# Altium PCB PCB.PcbDoc
Units mm, origin at the board's own origin, x right, y up, seen from the top; angles counter-clockwise.
Board outline 98.69 x 35.35 mm, 4 copper layers (Top Layer, Mid Layer 1, Mid Layer 2, Bottom Layer), stack 0.999 mm thick; 184 components, 150 nets, 784 pads, 0 vias.
Unrouted connection lines stored in the file: 435.
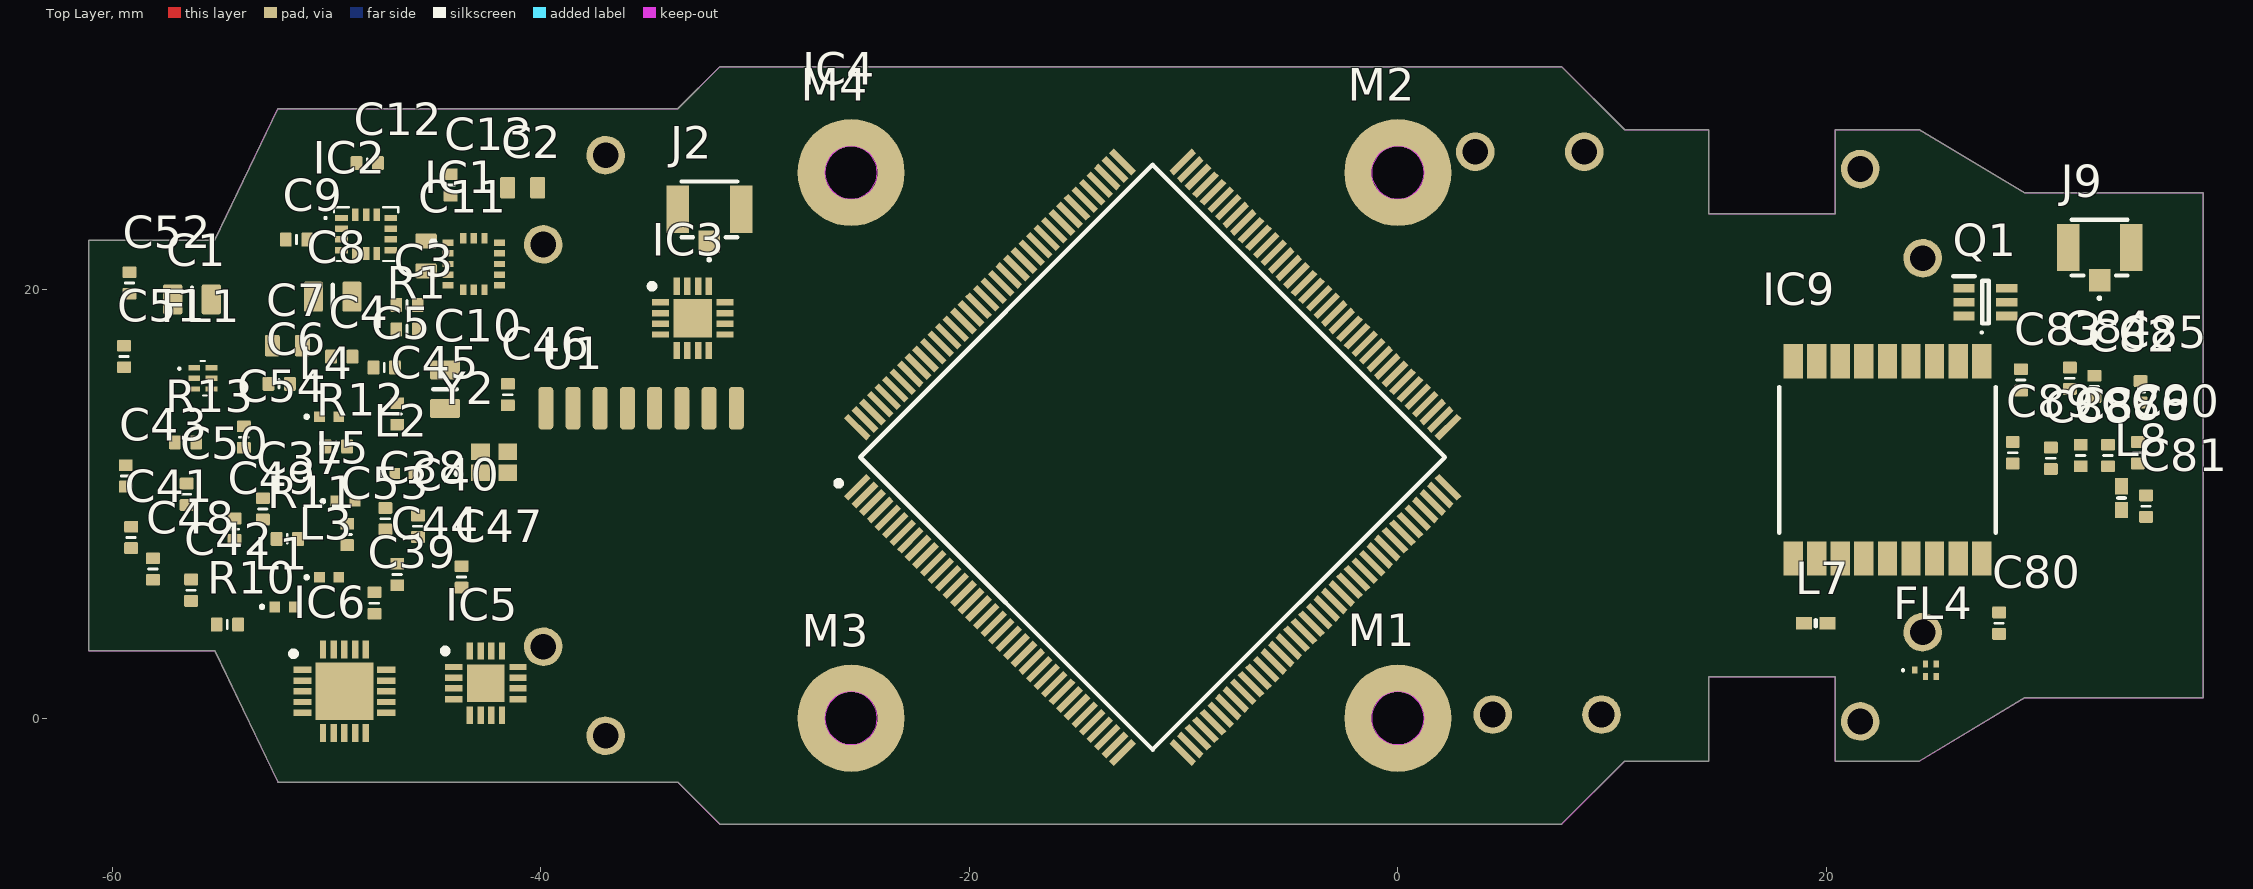
[diagram p0: Top Layer view]
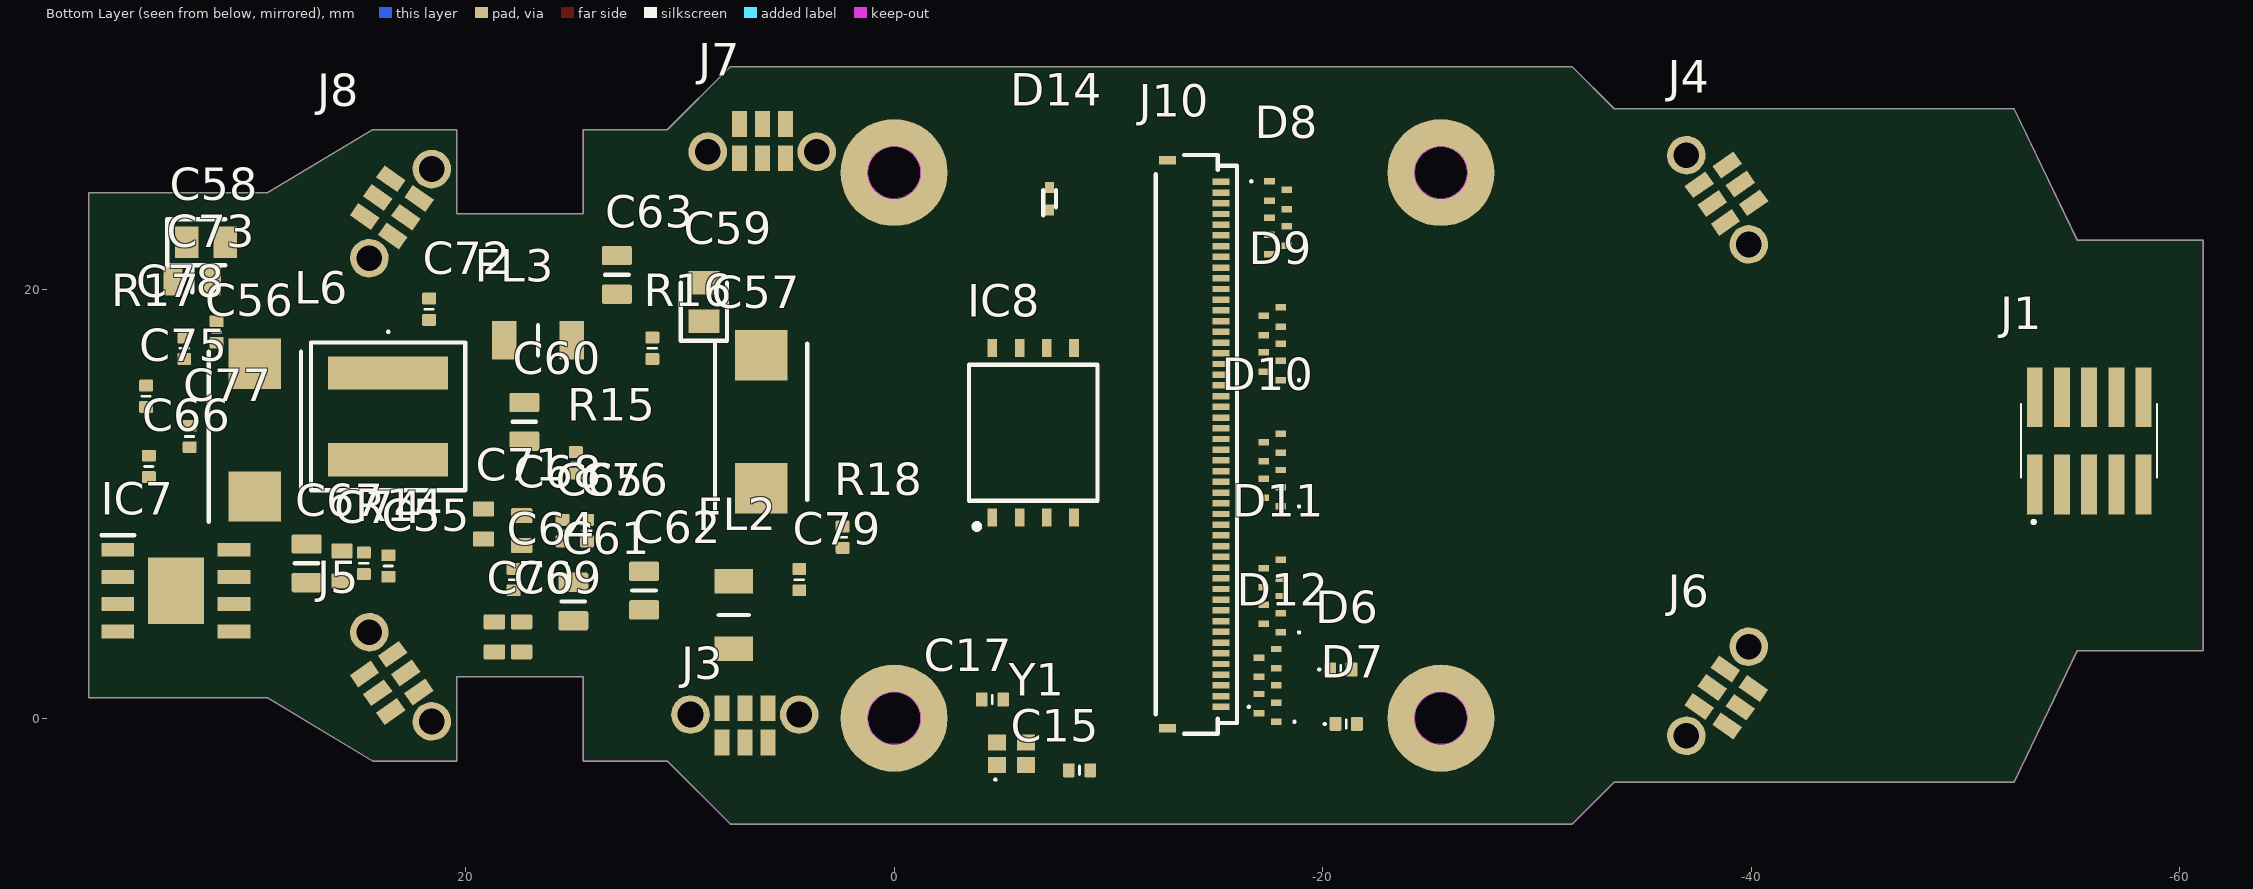
[diagram p1: Bottom Layer view, seen from below]

## Layer stack, top to bottom
Top Solder: solder mask 0.0127, Solder Resist, Dk 3.8
Top Layer: signal copper 0.035
Dielectric 1: prepreg 0.0994, 3313, Dk 4.1
Mid Layer 1: signal copper 0.0152
Core: core 0.7, FR-4, Dk 4.6
Mid Layer 2: signal copper 0.0152
Dielectric 2: prepreg 0.0994, 3313, Dk 4.1
Bottom Layer: signal copper 0.035
Bottom Solder: solder mask 0.0127, Solder Resist, Dk 3.8

## Board outline
-52.264,-2.98 -55.21,3.156 -61.102,3.156 -61.102,22.308 -55.21,22.308 -52.264,28.444 -33.606,28.444 -31.642,30.408 7.638,30.408 10.584,27.462 14.512,27.462 14.512,23.534 20.404,23.534 20.404,27.462 24.332,27.462 29.242,24.516 37.589,24.516 37.589,0.948 29.242,0.948 24.332,-1.998 20.404,-1.998 20.404,1.93 14.512,1.93 14.512,-1.998 10.584,-1.998 7.638,-4.944 -31.642,-4.944 -33.606,-2.98

## Design rules (kind name [scope] priority, off if disabled: settings)
BoardOutlineClearance [All] p1: gap=0.2 ignorepadtopadclearanceinfootprint=FALSE
Clearance [All] p1: gap=0.102 ignorepadtopadclearanceinfootprint=FALSE except(0.127: Arc-Via Track-Via SMDPad-Via THPad-Via Via-Via Via-Fill Via-Poly Via-Region Via-Text; 0.25: Arc-Hole Track-Hole SMDPad-Hole THPad-Hole Via-Hole Fill-Hole Poly-Hole Region-Hole Text-Hole)
ComponentClearance [All] p1: gap=0.102 collisioncheckmode=3 verticalgap=0.102 showdistances=TRUE
DiffPairsRouting [All] p1: maxlimit=0.102 minlimit=0.102 mostfreqgap=0.102 toplayer_minwidth=0.102 toplayer_maxwidth=1816.048 toplayer_prefwidth=0.102 midlayer1_minwidth=0.102 midlayer1_maxwidth=1816.048 midlayer1_prefwidth=0.102 midlayer2_minwidth=0.102 midlayer2_maxwidth=1816.048 midlayer2_prefwidth=0.102 bottomlayer_minwidth=0.102 bottomlayer_maxwidth=1816.048 bottomlayer_prefwidth=0.102 maxuncoupledlength=12.7
Height [All] p1: minheight=0 maxheight=1816.048 prefheight=12.7
HoleSize [All] p1: absolutevalues=TRUE maxlimit=6.3 minlimit=0.2 maxpercent=80.000 minpercent=20.000
HoleToHoleClearance [All] p1: gap=0.25 allowstackedmicrovias=FALSE
MinimumAnnularRing [All] p1: minimumring=0.076
MinimumSolderMaskSliver [All] p1: minsoldermaskwidth=0
PlaneClearance [All] p1: clearance=0.102
PlaneConnect PlaneConnectPowerPads [InPadClass('PowerPads')] p1: planeconnectstyle=Direct reliefexpansion=0.508 reliefentries=4 reliefconductorwidth=0.254 reliefairgap=0.254
PlaneConnect [All] p2: pad.planeconnectstyle=Relief pad.reliefexpansion=0.3 pad.reliefentries=4 pad.reliefconductorwidth=0.102 pad.reliefairgap=0.102 via.planeconnectstyle=Direct via.reliefexpansion=0.3 via.reliefentries=4 via.reliefconductorwidth=0.127 via.reliefairgap=0.127
PolygonConnect PolygonConnectPowerPads [All vs (InPadClass('PowerPads'))] p1: connectstyle=Direct reliefconductorwidth=0.254 reliefentries=4 polygonreliefangle="90 Angle" airgapwidth=0.254
PolygonConnect [All] p2: thpad.connectstyle=Relief thpad.reliefconductorwidth=0.102 thpad.reliefentries=4 thpad.polygonreliefangle="90 Angle" thpad.airgapwidth=0.102 smdpad.connectstyle=Relief smdpad.reliefconductorwidth=0.102 smdpad.reliefentries=4 smdpad.polygonreliefangle="90 Angle" smdpad.airgapwidth=0.102 via.connectstyle=Direct via.reliefconductorwidth=0.127 via.reliefentries=4 via.polygonreliefangle="90 Angle" via.airgapwidth=0.127
RoutingVias [All] p1: holewidth=0.2 width=0.45 viastyle="Through Hole" minholewidth=0.2 minwidth=0.45 maxholewidth=6.3 maxwidth=6.55
SilkToSilkClearance [All] p1: silktosilkclearance=0
SilkToSolderMaskClearance [IsPad] p1: minsilkscreentomaskgap=0.102 clearancetoexposedcopper=TRUE
SolderMaskExpansion [All] p1: expansion=0.075 istentingtop=FALSE
SupplyNets "Schematic Supply Nets_1" [InNet('GND')] p1: voltage=0.000
SupplyNets "Schematic Supply Nets" [InNet('+3V3')] p2: voltage=0.000
Width [All] p1: maxlimit=1816.048 minlimit=0.102 preferedwidth=0.102
20 further rules are at their usual default settings.

## Classes and differential pairs
component class U_PB_Conn: D6 D7 D8 D9 D10 D11 D12 D13 D14 J10
component class U_LED: C93 C94 C95 C96 C97 C98 LED1 LED2 LED3 LED4 LED5 LED6 LED7 R21 R22
component class U_GPS: C80 C81 C82 C83 C84 C85 C86 C87 C88 C89 C90 FL4 IC9 J9 L7 L8 Q1
component class U_Flash: C79 IC8 R18
component class U_Barometer: C91 C92 IC10 R19 R20
component class U_TOF360: J3 J4 J5 J6 J7 J8
component class U_RF: U1
component class U_PSU: C55 C56 C57 C58 C59 C60 C61 C62 C63 C64 C65 C66 C67 C68 C69 C70 C71 C72 C73 C74 C75 C76 C77 C78 FL2 FL3 IC7 L6 R14 R15 R16 R17
component class U_NRF24l01: C37 C38 C39 C40 C41 C42 C43 C44 C45 C46 C47 C48 C49 C50 C51 C52 C53 C54 FL1 IC5 IC6 J2 L1 L2 L3 L4 L5 R10 R11 R12 R13 Y2
component class U_MCU: C14 C15 C16 C17 C18 C19 C20 C21 C22 C23 C24 C25 C26 C27 C28 C29 C30 C31 C32 C33 C34 C35 C36 D1 D2 D3 D4 D5 FB1 IC4 J1 R2 R3 R4 R5 R6 R7 R8 R9 S1 S2 Y1
component class U_IMU: C1 C2 C3 C4 C5 C6 C7 C8 C9 C10 C11 C12 C13 IC1 IC2 IC3 R1
component class Main: M1 M2 M3 M4

## Components (designator, comment, footprint, x,y, rotation, side; value= is the part's Value field where it differs from the comment)
C1 "Cap0805" CAP0805 -56.277,19.545 r0 top value=4u7F
C2 "Cap0603" CAP0603 -40.845,24.752 r0 top value=2u2F
C3 "Cap0402" CAP0402 -46.244,19.291 r0 top value=100nF
C4 "Cap0402" CAP0402 -49.292,16.878 r0 top value=100nF
C5 "Cap0402" CAP0402 -47.309,16.37 r0 top value=10nF
C6 "Cap0402" CAP0402 -52.213,15.608 r0 top value=100nF
C7 "Cap0603" CAP0603 -51.832,17.386 r0 top value=2u2F
C8 "Cap0805" CAP0805 -49.711,19.672 r0 top value=4u7F
C9 "Cap0402" CAP0402 -51.402,22.339 r0 top value=10nF
C10 "Cap0805" CAP0805 -44.466,15.354 r90 top value=4u7F
C11 "Cap0603" CAP0603 -45.355,21.577 r90 top value=2u2F
C12 "Cap0402" CAP0402 -48.1,25.895 r180 top value=100nF
C13 "Cap0402" CAP0402 -44.212,24.879 r90 top value=100nF
C14 "Cap0402" CAP0402 65.018,66.535 r90 bottom value=100nF
C15 "Cap0402" CAP0402 -8.652,-2.426 r180 bottom value=11pF
C16 "Cap0402" CAP0402 6.598,55.232 r90 bottom value=100nF
C17 "Cap0402" CAP0402 -4.588,0.876 r180 bottom value=11pF
C18 "Cap0603" CAP0603 144.764,44.945 r0 top value=1uF
C19 "Cap0402" CAP0402 148.701,44.945 r0 top value=100nF
C20 "Cap0603" CAP0603 153.4,44.945 r0 top value=1uF
C21 "Cap0402" CAP0402 157.337,44.945 r0 top value=100nF
C22 "Cap0603" CAP0603 162.036,44.945 r0 top value=1uF
C23 "Cap0402" CAP0402 165.719,44.691 r90 top value=100nF
C24 "Cap0603" CAP0603 171.307,44.31 r90 top value=2u2F
C25 "Cap0603" CAP0603 176.387,44.31 r90 top value=2u2F
C26 "Cap0402" CAP0402 162.544,143.37 r90 top value=100nF
C27 "Cap0402" CAP0402 168.132,143.37 r90 top value=100nF
C28 "Cap0402" CAP0402 173.72,143.37 r90 top value=100nF
C29 "Cap0402" CAP0402 179.308,143.37 r90 top value=100nF
C30 "Cap0402" CAP0402 184.896,143.37 r90 top value=100nF
C31 "Cap0402" CAP0402 190.484,143.37 r90 top value=100nF
C32 "Cap0402" CAP0402 196.072,143.37 r90 top value=100nF
C33 "Cap0402" CAP0402 201.66,143.37 r90 top value=100nF
C34 "Cap0402" CAP0402 207.502,143.37 r90 top value=100nF
C35 "Cap0402" CAP0402 212.836,143.37 r90 top value=100nF
C36 "Cap0402" CAP0402 218.678,143.37 r90 top value=100nF
C37 "Cap0402" CAP0402 -52.975,9.766 r90 top value=33nF
C38 "Cap0402" CAP0402 -47.26,9.307 r90 top value=1uF
C39 "Cap0402" CAP0402 -47.768,5.37 r90 top value=DNI
C40 "Cap0402" CAP0402 -45.736,8.955 r90 top value=220pF
C41 "Cap0402" CAP0402 -59.12,8.434 r90 top value=DNI
C42 "Cap0402" CAP0402 -56.326,5.972 r90 top value=10nF
C43 "Cap0402" CAP0402 -59.374,11.306 r90 top value=1nF
C44 "Cap0402" CAP0402 -46.703,6.702 r90 top value=1p5F
C45 "Cap0402" CAP0402 -46.703,14.195 r90 top value=1p0F
C46 "Cap0402" CAP0402 -41.545,15.1 r90 top value=0p3F
C47 "Cap0402" CAP0402 -43.704,6.591 r90 top value=1p5F
C48 "Cap0402" CAP0402 -58.104,6.959 r90 top value=1p5F
C49 "Cap0402" CAP0402 -54.294,8.815 r90 top value=1p5F
C50 "Cap0402" CAP0402 -56.531,10.45 r90 top value=1p5F
C51 "Cap0402" CAP0402 -59.452,16.878 r90 top value=2n2F
C52 "Cap0402" CAP0402 -59.198,20.307 r90 top value=4p7F
C53 "Cap0402" CAP0402 -49.038,8.574 r90 top value=16pF
C54 "Cap0402" CAP0402 -53.864,13.117 r90 top value=16pF
C55 "Cap0402" CAP0402 23.606,7.099 r90 bottom value=100nF
C56 "TR3D336K025D0200" CAPPM7343X310N 29.829,13.449 r90 bottom value=DNI
C57 "TR3D336K025D0200" CAPPM7343X310N 6.207,13.83 r90 bottom value=33uF
C58 "T58W9476M6R3C0200" CAPPC2012X90N 32.115,22.212 r180 bottom value=47uF
C59 "T58W9476M6R3C0200" CAPPC2012X90N 8.874,19.418 r90 bottom value=47uF
C60 "Cap0805" CAP0805 17.256,13.83 r90 bottom value=DNI
C61 "Cap0805" CAP0805 14.97,5.448 r90 bottom value=DNI
C62 "Cap0805" CAP0805 11.668,5.956 r90 bottom value=10uF
C63 "Cap0805" CAP0805 12.938,20.688 r90 bottom value=4u7F
C64 "Cap0402" CAP0402 17.764,6.464 r90 bottom value=220nF
C65 "Cap0402" CAP0402 15.478,8.75 r90 bottom value=100nF
C66 "Cap0402" CAP0402 34.782,11.749 r90 bottom value=100nF
C67 "Cap0805" CAP0805 27.416,7.226 r90 bottom value=22uF
C68 "Cap0603" CAP0603 17.383,8.75 r90 bottom value=10uF
C69 "Cap0603" CAP0603 17.383,3.797 r90 bottom value=10uF
C70 "Cap0603" CAP0603 18.653,3.797 r90 bottom value=10uF
C71 "Cap0603" CAP0603 19.161,9.069 r90 bottom value=10uF
C72 "Cap0402" CAP0402 21.701,19.086 r90 bottom value=100nF
C73 "Cap0805" CAP0805 32.75,20.434 r180 bottom value=DNI
C74 "Cap0603" CAP0603 25.765,7.099 r90 bottom value=10uF
C75 "Cap0402" CAP0402 34.909,15.022 r90 bottom value=100nF
C76 "Cap0402" CAP0402 14.335,8.75 r90 bottom value=DNI
C77 "Cap0402" CAP0402 32.877,13.146 r90 bottom value=1uF
C78 "Cap0402" CAP0402 31.617,18.021 r90 bottom value=DNI
C79 "Cap0402" CAP0402 4.429,6.464 r90 bottom value=100nF
C80 "Cap0402" CAP0402 28.051,4.432 r90 top value=0R
C81 "Cap0402" CAP0402 34.909,9.893 r90 top value=10nF
C82 "Cap0402" CAP0402 32.496,15.481 r90 top value=56pF
C83 "Cap0402" CAP0402 29.067,15.784 r90 top value=100nF
C84 "Cap0402" CAP0402 31.353,15.862 r90 top value=10nF
C85 "Cap0402" CAP0402 34.655,15.227 r90 top value=100nF
C86 "Cap0402" CAP0402 33.131,12.257 r90 top value=56pF
C87 "Cap0402" CAP0402 31.861,12.257 r90 top value=56pF
C88 "Cap0402" CAP0402 30.464,12.13 r90 top value=56pF
C89 "Cap0402" CAP0402 28.686,12.384 r90 top value=100nF
C90 "Cap0402" CAP0402 34.528,12.384 r90 top value=56pF
C91 "Cap0402" CAP0402 150.479,98.158 r90 top value=100nF
C92 "Cap0402" CAP0402 145.145,98.158 r90 top value=100nF
C93 "Cap0402" CAP0402 164.322,151.752 r90 top value=100nF
C94 "Cap0402" CAP0402 170.164,151.752 r90 top value=100nF
C95 "Cap0402" CAP0402 176.006,151.752 r90 top value=100nF
C96 "Cap0402" CAP0402 181.848,151.752 r90 top value=100nF
C97 "Cap0402" CAP0402 187.69,151.752 r90 top value=100nF
C98 "Cap0402" CAP0402 193.532,151.752 r90 top value=100nF
D1 "D1213A-01LP4-7B" D1213A01LP47B 37.83,53.327 r90 bottom
D2 "D1213A-01LP4-7B" D1213A01LP47B 43.672,53.327 r90 bottom
D3 "D1213A-01LP4-7B" D1213A01LP47B 27.797,54.724 r180 bottom
D4 "D1213A-01LP4-7B" D1213A01LP47B 23.352,54.724 r180 bottom
D5 "D1213A-01LP4-7B" D1213A01LP47B 2.905,54.724 r180 bottom
D6 "D1213A-01LP4-7B" D1213A01LP47B -20.844,2.273 r180 bottom
D7 "D1213A-01LP4-7B" D1213A01LP47B -21.098,-0.267 r180 bottom
D8 "DT1240A-08LP3810-7" DT1240A08LP38107 -17.923,23.355 r270 bottom
D9 "DT1240A-08LP3810-7" DT1240A08LP38107 -17.65,17.475 r90 bottom
D10 "DT1240A-08LP3810-7" DT1240A08LP38107 -17.65,11.582 r90 bottom
D11 "DT1240A-08LP3810-7" DT1240A08LP38107 -17.65,5.702 r90 bottom
D12 "DT1240A-08LP3810-7" DT1240A08LP38107 -17.434,1.53 r90 bottom
D13 "DF2S24FS,L3M" SODFL1006X45N -7.382,64.122 r90 bottom
D14 "DF2S24FS,L3M" SODFL1006X45N -7.255,24.244 r90 bottom
FB1 "0R/Ferrite" NFZ15SG152SN10B 190.738,44.31 r90 top
FL1 "2450LP14A100T" 2450LP14A100T -55.769,15.862 r0 top value=DNI
FL2 "0R/Ferrite" BLM31KN102BH1L 7.477,4.813 r270 bottom
FL3 "0R/Ferrite" BLM31KN102BH1L 16.621,17.64 r0 bottom
FL4 "B39162B8313P810" B39162B8313P810 24.622,2.239 r0 top
IC1 "ICM-20602" IAM20680HP -43.126,21.196 r0 top
IC2 "ICM-42688-P" IIM42352 -48.149,22.593 r0 top
IC3 "MLX90393ELW-ABA-013-SP" QFN50P300X300X100-17N-D -32.909,18.656 r0 top
IC4 "STM32H723ZGT6" QFP50P2200X2200X160-144N -11.446,12.179 r45 top
IC5 "RFX2401C" QFN50P300X300X60-17N-D -42.561,1.638 r0 top
IC6 "nRF24L01P" QFN50P400X400X95-21N-D -49.165,1.257 r0 top
IC7 "LMR33640ADDAR" SOIC127P600X170-9N 33.512,5.956 r180 bottom
IC8 "MT29F2G01ABAGDWB-IT_G_TR" SON127P800X600X65-8N -6.493,13.322 r90 bottom
IC9 "TESEO-LIV3R" TESEOLIV3R 22.844,12.052 r0 top
IC10 "BMP390" BMP390 157.845,97.015 r0 top
J1 "FTSH-105-01-LM-DV-K" FTSH-105-XX-YYY-DV-K -55.769,12.941 r180 bottom
J2 "CONUFL001-SMD-T" CONUFL001-SMD -32.131,23.749 r0 top
J3 "FC_TOF360" TOF_MOUNT 9.5,0.169 r180 bottom locked
J4 "FC_TOF360" TOF_MOUNT -39.886,22.11 r55 bottom locked
J5 "FC_TOF360" TOF_MOUNT 24.489,4.011 r235 bottom locked
J6 "FC_TOF360" TOF_MOUNT -36.973,-0.824 r125 bottom locked
J7 "FC_TOF360" TOF_MOUNT 3.612,26.432 r0 bottom locked
J8 "FC_TOF360" TOF_MOUNT 21.575,25.627 r305 bottom locked
J9 "CONUFL001-SMD-T" CONUFL001-SMD 32.75,21.958 r0 top
J10 "FH34SRJ-50S-0.5SH_50_" FH34SRJ50S05SH50 -14.106,12.778 r270 bottom
L1 "MLG1005S2N4BT000" MLG1005 -51.959,5.194 r0 top
L2 "MLG1005S2N4BT000" MLG1005 -46.371,11.417 r0 top
L3 "MLG1005S3N9BT000" MLG1005 -49.878,6.575 r0 top
L4 "MLG1005S8N2HT000" MLG1005 -49.878,14.068 r0 top
L5 "MLG1005S2N7BTD25" MLG1005 -49.116,10.131 r0 top
L6 "EXLA1V0606-100-R" EXLA1V0606100R 23.606,14.084 r180 bottom
L7 "LQG15HS27NJ02" INDC1005X55N 19.5,4.432 r0 top value=0R/???
L8 "LQG15HS27NJ02" INDC1005X55N 33.766,10.274 r90 top value=27nH
LED1 "587-1024-147F" 5871024147F 201.152,150.228 r0 top
LED2 "587-1024-147F" 5871024147F 208.01,150.228 r0 top
LED3 "587-1024-147F" 5871024147F 215.376,150.228 r0 top
LED4 "587-1024-147F" 5871024147F 142.351,51.549 r0 top
LED5 "587-1024-147F" 5871024147F 149.717,51.549 r0 top
LED6 "587-1024-147F" 5871024147F 157.083,51.549 r0 top
LED7 "150141RV73100" 150141RV73100 159.115,150.228 r0 top
M1 "Mount_M2" MOUNT_M2#1 0,0 r0 top locked
M2 "Mount_M2" MOUNT_M2#2 82.28,-0.648 r0 top locked
M3 "Mount_M2" MOUNT_M2#3 69.326,-0.648 r0 top locked
M4 "Mount_M2" MOUNT_M2#4 56.372,-0.648 r0 top locked
Q1 "DCX123JU-7-F" SOT65P210X110-6N 27.416,19.418 r0 top
R1 "Res0402" RES0402 -46.244,18.148 r0 top value=10k
R2 "Res0402" RES0402 85.709,66.789 r0 top value=DNI
R3 "Res0402" RES0402 239.887,44.818 r0 top value=0R
R4 "Res0402" RES0402 81.391,66.789 r0 top value=10k
R5 "Res0402" RES0402 235.569,44.818 r0 top value=DNI
R6 "Res0402" RES0402 77.073,66.789 r180 bottom value=50k
R7 "Res0402" RES0402 18.653,55.486 r180 bottom value=50k
R8 "Res0402" RES0402 186.928,44.818 r0 top value=0R
R9 "Res0402" RES0402 182.61,44.818 r0 top value=47R
R10 "Res0402" RES0402 -54.628,4.375 r0 top value=22k
R11 "Res0402" RES0402 -51.832,8.369 r0 top value=10k
R12 "Res0402" RES0402 -49.546,12.687 r0 top value=10k
R13 "Res0402" RES0402 -56.58,12.879 r0 top value=1M
R14 "Res0402" RES0402 24.749,7.226 r90 bottom value=0R
R15 "Res0402" RES0402 14.843,11.925 r270 bottom value=DNI
R16 "Res0402" RES0402 11.287,17.259 r90 bottom value=100k/1%
R17 "Res0402" RES0402 33.131,17.259 r90 bottom value=43k5/1%
R18 "Res0402" RES0402 2.402,8.445 r90 bottom value=DNI
R19 "Res0402" RES0402 163.306,97.777 r90 top value=4k7
R20 "Res0402" RES0402 168.894,97.777 r90 top value=4k7
R21 "Res0402" RES0402 145.272,151.371 r90 top value=1k
R22 "Res0402" RES0402 151.114,151.371 r90 top value=1k
S1 "B3U-3000P" B3U-1000P 72.413,66.027 r180 bottom
S2 "B3U-3000P" B3U-1000P 13.993,54.724 r180 bottom
U1 "nrf24l01_mini" NR24L01_MINI 243.006,-47.23 r0 top
Y1 "ECS-320-10-37B-CKY-TR" ECS3201037BCKYTR -5.477,-1.664 r180 bottom
Y2 "830108288709" 830108288709 -42.182,11.946 r0 top

## Footprints (in the part's own frame and the unit in brackets; to place one, negate y for a bottom-side part, rotate by r counter-clockwise, add the part's x,y. Pads: shape width x height; smd on the part's side, far side on the other; paste and mask are expansions set on the pad)
2450LP14A100T [mm]
  rect 0.55x0.25 smd: 1(-0.4,0.5) 2(-0.4,0) 3(-0.4,-0.5) 4(0.4,-0.5) 5(0.4,0) 6(0.4,0.5)
  silkscreen extent -1.15,-0.8 0.2,0.8, body extent -0.65,-0.8 0.65,0.8, height 0.8
150141RV73100 [mm]
  rect 1.5x0.9 smd: 1(1.55,0.7) 2(1.55,-0.7) 3(-1.55,0.7) 4(-1.55,-0.7)
  silkscreen extent -0.5,-1.4 2.8,1.4, body extent -1.75,-1.4 1.75,1.4, height 1.75
5871024147F [mm]
  rect 0.9x0.9 smd: 1(0.85,-0.85) 2(-0.85,-0.85) 3(-0.85,0.85) 4(0.85,0.85)
  silkscreen extent 0.7,-1.9 0.8,-1.8, body extent -1,-1 1,1, height 1
830108288709 [mm]
  rect 0.875x0.775 smd: 1(-0.637,-0.487) 2(0.637,-0.487) 3(0.637,0.487) 4(-0.637,0.487)
  silkscreen extent -1.8,-0.6 -1.6,-0.4, body extent -1,-0.8 1,0.8, height 0.6
B3U-1000P [mm]
  rect 0.8x1.7 smd: 1(1.7,0) 2(-1.7,0)
  silkscreen extent -1.5,-1.25 2.49,1.25, body extent -2,-1.25 2,1.25, height 1.6
B39162B8313P810 [mm]
  rect 0.25x0.325 smd: 1(-0.5,0) 2(0,-0.288) 3(0.5,-0.288) 4(0.5,0.288) 5(0,0.288)
  silkscreen extent -1.1,-0.05 -1,0.05, body extent -0.7,-0.55 0.7,0.55, height 0.45
BLM31KN102BH1L [mm]
  rect 1.15x1.8 smd: 1(-1.575,0) 2(1.575,0)
  silkscreen extent 0,-0.7 0,0.7, body extent -1.6,-0.8 1.6,0.8, height 1.6
BMP390 [mm]
  rect 0.25x0.275 smd: 1(0.25,0.763) 2(-0.25,0.763) 6(-0.25,-0.763) 7(0.25,-0.763)
  rect 0.275x0.25 smd: 3(-0.762,0.5) 4(-0.762,0) 5(-0.762,-0.5) 8(0.762,-0.5) 9(0.762,0) 10(0.762,0.5)
  silkscreen extent 0.2,1.3 0.3,1.4, body extent -1,-1.08 1,0.92, height 0.73
CAP0402 [mm]
  rrect20% 0.55x0.65 smd: 1(-0.498,-0.005) 2(0.503,-0.005)
  silkscreen extent 0,-0.2 0,0.2, body extent -0.49,-0.27 0.51,0.28, height 0.5
CAP0603 [mm]
  rrect20% 0.7x1 smd: 1(-0.7,0) 2(0.7,0)
  body extent -0.8,-0.4 0.8,0.4, height 0.95
CAP0805 [mm]
  rrect20% 0.9x1.4 smd: 1(-0.9,0) 2(0.9,0)
  silkscreen extent 0,-0.55 0,0.55, body extent -1,-0.63 1,0.63, height 0.88
CAPPC2012X90N [mm]
  rect 1.1x1.45 smd: 1(-0.9,0) 2(0.9,0)
  silkscreen extent -1.8,-1.07 0.9,1.07, body extent -1.12,-0.72 1.08,0.73, height 0.9
CAPPM7343X310N [mm]
  rect 2.35x2.45 smd: 1(-3.1,0) 2(3.1,0)
  silkscreen extent -4.28,-2.15 3.65,2.15, body extent -3.59,-2.21 3.6,2.21, height 2.92
CONUFL001-SMD [mm]
  rect 1x1.05 smd: 1(0,-1.525)
  rect 1.05x2.2 smd: 2(-1.475,0) 3(1.475,0)
  silkscreen extent -1.3,-2.38 1.3,1.3, body extent -1.5,-1.5 1.5,1.59, height 1.25
D1213A01LP47B [mm]
  rrect20% 0.55x0.65 smd: 1(-0.498,0) 2(0.503,0)
  silkscreen extent -1.05,-0.2 0,0.2, body extent -0.5,-0.3 0.5,0.3, height 0.37
DT1240A08LP38107 [mm]
  rect 0.3x0.5 smd: 1(-1.7,-0.4) 2(-0.8,-0.4) 3(0,-0.4) 4(0.8,-0.4) 5(1.7,-0.4) 6(1.3,0.4) 7(0.4,0.4) 8(-0.4,0.4) 9(-1.3,0.4)
  silkscreen extent -1.75,-1.3 -1.65,-1.2, body extent -1.9,-0.5 1.9,0.5, height 0.5
ECS3201037BCKYTR [mm]
  rect 0.85x0.75 smd: 1(-0.675,-0.525) 2(0.675,-0.525) 3(0.675,0.525) 4(-0.675,0.525)
  silkscreen extent -0.8,-1.25 -0.7,-1.15, body extent -1.02,-0.82 1.02,0.82, height 0.6
EXLA1V0606100R [mm]
  rect 5.6x1.55 smd: 1(0,2.025) 2(0,-2.025)
  silkscreen extent -3.6,-3.45 3.6,4, body extent -3.6,-3.45 3.6,3.45, height 5.81
FH34SRJ50S05SH50 [mm]
  rect 0.3x0.8 smd: 1(12.25,1.15) 2(11.75,1.15) 3(11.25,1.15) 4(10.75,1.15) 5(10.25,1.15) 6(9.75,1.15) 7(9.25,1.15) 8(8.75,1.15) 9(8.25,1.15) 10(7.75,1.15) 11(7.25,1.15) 12(6.75,1.15) 13(6.25,1.15) 14(5.75,1.15) 15(5.25,1.15) 16(4.75,1.15) 17(4.25,1.15) 18(3.75,1.15) 19(3.25,1.15) 20(2.75,1.15) 21(2.25,1.15) 22(1.75,1.15) 23(1.25,1.15) 24(0.75,1.15) 25(0.25,1.15) 26(-0.25,1.15) 27(-0.75,1.15) 28(-1.25,1.15) 29(-1.75,1.15) 30(-2.25,1.15) 31(-2.75,1.15) 32(-3.25,1.15) 33(-3.75,1.15) 34(-4.25,1.15) 35(-4.75,1.15) 36(-5.25,1.15) 37(-5.75,1.15) 38(-6.25,1.15) 39(-6.75,1.15) 40(-7.25,1.15) 41(-7.75,1.15) 42(-8.25,1.15) 43(-8.75,1.15) 44(-9.25,1.15) 45(-9.75,1.15) 46(-10.25,1.15) 47(-10.75,1.15) 48(-11.25,1.15) 49(-11.75,1.15) 50(-12.25,1.15)